# Altium PCB KASLI-DIOT-CPU.PcbDoc (part 2 of 5) (continued)
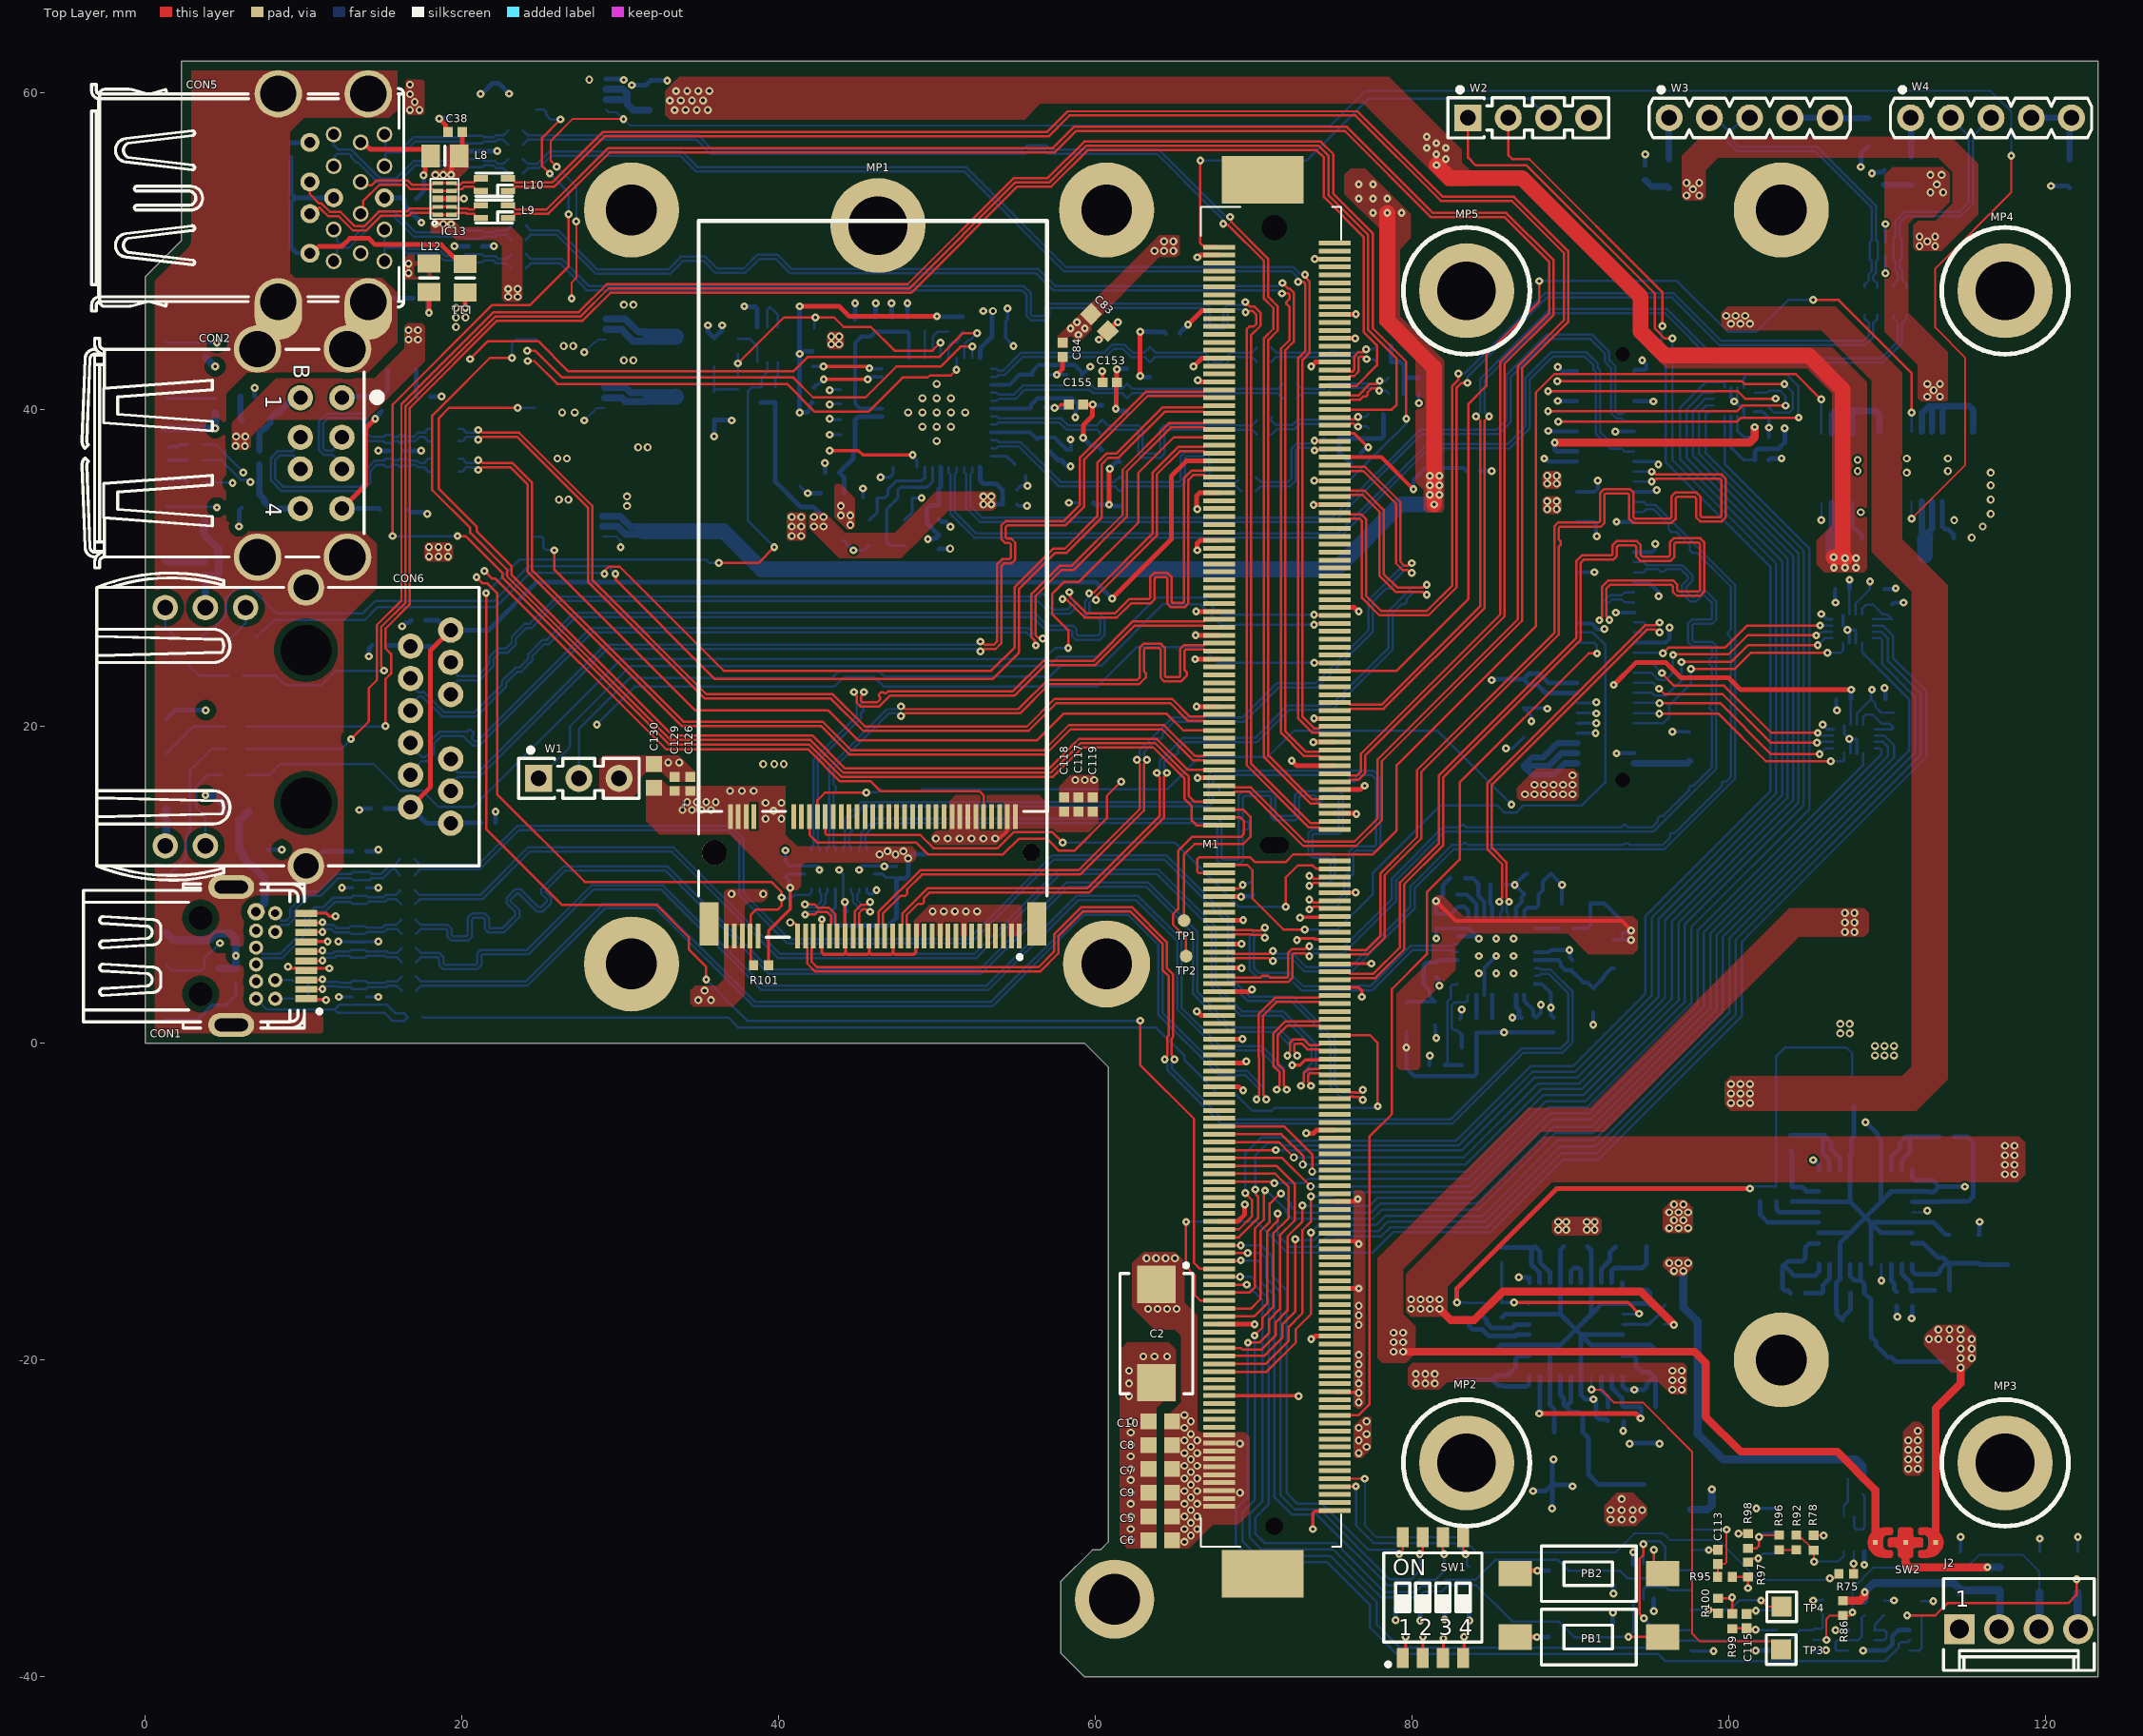
[diagram p0: Top Layer view]
## Nets (pads, with @x,y where several pads share a name; then routed paths per layer and width w, separated by ;. In a path a pad name is that pad's centre, name@x,y a point inside that pad or via, vN(x,y) a via of type N, cw(c..) or ccw(c..) an arc to the next point about the centre after c; other vN are vias at no path point)
(S)ATA_ACT#: M1.S54 R102.1 | length 84.5
  Top Layer w0.15: v1(73.82,24.017) 73.828,24.008 75.092,24.008 M1.S54@75.1,24
  Layer 1 w0.15: v1(6.197,36.032) 6.197,35.24 8.782,32.655 19.842,32.655 20.42,32.077 20.42,28.217 v1(28.52,20.117)
  Bottom Layer w0.15: R102.1@3.57,37.8 4.429,37.8 v1(6.197,36.032) ; v1(28.52,20.117) 30.918,22.514 43.519,22.514 44.115,23.11 46.026,23.11 46.62,22.517 60.12,22.517 62.62,25.017 66.72,25.017 67.72,24.017 v1(73.82,24.017)
+V3.3_DPB: C27.2 CON1.20 FB1.2 | length 7.5
  Bottom Layer w0.5: FB1.2@6.52,14.617 6.52,14.592 6.295,14.367 6.27,14.367 5.92,14.017 C27.2@5.92,12.217 6.195,11.942 6.195,11.695 6.64,11.25 6.71,11.25 7.53,10.43 7.53,10.36 7.549,10.341 7.549,8.893 7,8.344 CON1.20@7,8.3
\\BOARD_RESET: R41.1 T2.6 | length 2.4
  Bottom Layer w0.15: R41.1@37.42,44.457 38.18,44.457 38.637,44 T2.6@38.637,42.988
ANEG_DIS: IC17.47 LD7.1 R28.1 | length 60.8
  Top Layer w0.15: v1(24.12,43.717) 24.62,43.717 26.32,42.017 40.92,42.017 42.165,40.772 45.475,40.772 47.42,42.717 50.22,42.717 51.481,43.978 v1(52.22,43.978)
  Layer 1 w0.15: v1(4.52,33.817) 4.52,38.117 6.02,39.617 13.12,39.617 16.241,42.738 20.695,42.738 21.673,43.717 v1(24.12,43.717)
  Bottom Layer w0.15: LD7.1@1.32,33.967 1.43,33.857 R28.1@3.72,33.857 4.48,33.857 v1(4.52,33.817) ; IC17.47@52.22,43.267 v1(52.22,43.978)
ANEGSEL_0: IC17.46 LD6.1 R26.1 | length 57.6
  Top Layer w0.15: v1(20.51,43.183) 21.644,44.317 24.82,44.317 26.72,42.417 40.92,42.417 41.82,43.317 50.12,43.317 51.62,44.817 v1(52.52,44.817) v1@52.62,44.817
  Layer 1 w0.15: v1(4.52,44.217) 4.52,43.417 6.12,41.817 14.445,41.817 15.811,43.183 v1(20.51,43.183)
  Bottom Layer w0.15: LD6.1@1.32,44.267 1.37,44.217 R26.1@3.82,44.217 v1(4.52,44.217) ; IC17.46@51.72,43.267 51.72,44.138 51.994,44.412 52.115,44.412 v1(52.52,44.817)
ANEGSEL_1: IC17.45 LD5.1 R24.1 | length 89.4
  Top Layer w0.15: v1(24.148,43.067) 24.569,43.067 26.02,41.617 40.52,41.617 42.275,39.862 45.665,39.862 47.82,42.017 49.399,42.017 49.548,42.166 50.869,42.166 v1(51.22,42.517)
  Layer 1 w0.15: v1(4.72,6.317) 4.72,8.117 3.42,9.417 3.42,10.517 5.12,12.217 5.12,29.857 5.115,29.862 5.115,31.498 5.12,31.503 5.12,34.817 4.82,35.117 4.82,38.035 6.102,39.317 13.62,39.317 16.52,42.217 21.02,42.217 21.52,42.717 23.797,42.717 v1(24.148,43.067)
  Bottom Layer w0.15: LD5.1@1.32,4.967 1.71,4.577 3.58,4.577 R24.1@3.72,4.717 3.72,5.317 v1(4.72,6.317) ; v1(51.22,42.517) IC17.45@51.22,43.267
BATLOW#_1V8: M1.S156
BOOT_SEL0#_1V8: D1.1 M1.P123 SW1.8 | length 29.7
  Top Layer w0.15: M1.P123@67.8,-12.75 67.807,-12.757 69.163,-12.757 v1(69.17,-12.764) ; v1(79.17,-32.258) 79.395,-32.033 SW1.8@79.395,-31.19
  Bottom Layer w0.15: v1(69.17,-12.764) 70.426,-12.764 71.145,-13.483 71.145,-14.683 72.07,-15.608 72.07,-28.406 72.747,-29.083 74.306,-29.083 77.206,-31.983 78.895,-31.983 v1(79.17,-32.258) 79.17,-32.658 78.945,-32.883 D1.1@78.945,-33.083
BOOT_SEL1#_1V8: D2.1 M1.P124 SW1.7 | length 31.9
  Top Layer w0.15: M1.P124@67.8,-13.25 69.612,-13.25 v1(69.613,-13.251) ; v1(80.47,-32.258) 80.665,-32.063 SW1.7@80.665,-31.19
  Bottom Layer w0.15: v1(69.613,-13.251) 70.438,-13.251 70.77,-13.583 70.77,-14.833 71.695,-15.758 71.695,-28.548 72.58,-29.433 74.155,-29.433 78.58,-33.858 79.92,-33.858 80.32,-33.458 80.47,-33.308 v1(80.47,-32.258)
BOOT_SEL2#_1V8: D3.1 M1.P125 SW1.6 | length 33.4
  Top Layer w0.15: M1.P125@67.8,-13.75 69.137,-13.75 v1(69.17,-13.717) ; SW1.6@81.935,-31.19 81.935,-32.173 v1(82.02,-32.258)
  Bottom Layer w0.15: v1(69.17,-13.717) 70.228,-13.717 70.42,-13.908 70.42,-15.058 71.295,-15.933 71.295,-28.666 72.408,-29.779 73.99,-29.779 78.445,-34.233 80.07,-34.233 80.42,-33.883 81.445,-33.883 81.87,-33.458 82.045,-33.283 D3.1@82.045,-33.083 82.02,-33.058 v1(82.02,-32.258)
BUF_BW_SEL: IC22.1 R112.2 R113.1 | length 6.7
  Bottom Layer w0.15: R113.1@82.02,-1.383 82.22,-1.183 82.22,2.617 82.42,2.817 82.42,3.587 82.508,3.675 82.775,3.675 IC22.1@82.85,3.75
  Bottom Layer w0.254: R113.1@82.02,-1.383 R112.2@83.12,-1.383
BUF_SADR: IC22.32 R114.2 R115.1 | length 4.6
  Bottom Layer w0.15: R115.1@83.02,0.617 82.811,0.826 82.611,0.826 82.49,0.947 82.49,2.387 82.665,2.562 83.387,2.562 83.475,2.65 83.475,2.975 IC22.32@83.55,3.05
  Bottom Layer w0.254: R115.1@83.02,0.617 83.12,0.517 R114.2@83.12,-0.283
CARRIER_PWRON: IC7.4 IC8.4 IC11.4 IC12.4 IC14.4 IC19.19 IC23.4 R78.2 R92.1 T1.3 | length 241
  Top Layer w0.12: v1(25.983,55.332) 25.979,55.332 25.603,55.708 25.603,56.964 26.977,58.338 v1(30.198,58.338) ; v1(26.92,47.017) 26.92,48.017 27.215,48.311 v1(27.215,51.887) ; R92.1@104.245,-31.058 104.475,-31.288 104.625,-31.288 105.095,-31.758 105.095,-31.778 105.325,-32.008 R78.2@105.345,-32.008 105.345,-32.708 v1(105.37,-32.733) ; v1(111.52,33.117) 114.92,36.517 114.92,43.275 113.02,45.175 113.02,48.917 117.82,53.717 v1(117.82,56.017)
  Layer 1 w0.12: v1(26.92,47.017) 27.82,46.117 27.82,43.877 27.793,43.85 27.793,43.689 v1(27.72,43.617) v1(27.72,39.317) 27.72,38.217 29.684,36.253 29.684,31.653 v1(30.02,31.317) ; v1(105.37,-32.733) 110.02,-28.083 110.02,-19.783 112.52,-17.283 v1(112.52,-10.583) 112.52,32.117 v1(111.52,33.117)
  Layer 2 w0.12: v1(105.82,33.017) 110.02,33.017 110.12,33.117 v1(111.52,33.117)
  Bottom Layer w0.12: v1(25.983,55.332) 25.983,55.327 27.215,54.096 v1(27.215,51.887) ; v1(27.72,39.317) 28.335,39.932 28.335,39.935 28.5,40.1 IC8.4@29,40.1 ; v1(27.72,43.617) 28.335,44.232 28.365,44.232 28.393,44.26 28.435,44.26 28.6,44.425 IC11.4@29.1,44.425 ; IC7.4@28.9,31.975 29.762,31.975 30.02,31.717 v1(30.02,31.317) ; IC12.4@29.1,58.925 29.265,58.76 29.777,58.76 v1(30.198,58.338) 30.62,57.917 74.82,57.917 77.02,60.117 116.526,60.117 117.82,58.823 v1(117.82,56.017) ; v1(105.37,-32.733) 106.87,-32.733 107.088,-32.515 107.11,-32.515 107.25,-32.375 T1.3@107.25,-32.1 ; v1(105.82,33.017) 105.825,33.022 IC14.4@105.825,34.1 ; v1(111.52,33.117) 111.52,34.195 IC23.4@111.525,34.2 ; IC19.19@111.588,-10.675 112.326,-10.675 112.417,-10.583 v1(112.52,-10.583)
CARRIER_PWRON_1V8: M1.S154 R75.1 | length 37.4
  Top Layer w0.12: M1.S154@75.1,-27.5 v1(77.003,-27.5) ; v1(106.37,-33.788) 106.408,-33.75 106.7,-33.75 106.93,-33.52 R75.1@106.93,-33.5
  Bottom Layer w0.12: v1(77.003,-27.5) 77.003,-30.467 77.72,-31.183 83.12,-31.183 84.095,-32.158 92.82,-32.158 94.02,-30.958 95.845,-30.958 96.245,-31.358 99.295,-31.358 101.82,-33.883 106.11,-33.883 106.132,-33.861 106.297,-33.861 v1(106.37,-33.788)
CARRIER_STBY#_1V8: M1.S153
CHARGING#_1V8: M1.S151
CHARGING_PRSNT#_1V8: M1.S152
DDI0_CTRL_AUX_N: M1.S105 R8.1 | length 80.3
  Top Layer w0.15: M1.S105@75.1,-3 75.95,-3 76.065,-3.115 76.407,-3.115 76.425,-3.133 76.607,-3.133 76.782,-2.958 v1(76.87,-2.958)
  Bottom Layer w0.15: R8.1@17.02,11.617 17.235,11.402 17.235,11.339 17.323,11.252 21.017,11.252 23.495,13.729 36.926,13.729 37.778,12.877 37.778,9.458 40.675,6.561 51.972,6.561 57.269,11.858 64.455,11.858 68.658,7.655 68.658,3.989 69.704,2.943 72.45,2.943 75.106,0.288 75.106,-2.634 75.605,-3.133 76.697,-3.133 76.87,-2.961 v1(76.87,-2.958)
DDI0_CTRL_AUX_P: M1.S106 R7.1 | length 80.3
  Top Layer w0.15: M1.S106@75.1,-3.5 75.95,-3.5 76.065,-3.385 76.295,-3.385 76.313,-3.403 76.607,-3.403 76.782,-3.578 v1(76.87,-3.578)
  Bottom Layer w0.15: R7.1@17.02,10.617 17.235,10.832 17.235,10.894 17.323,10.982 21.129,10.982 23.606,13.459 36.814,13.459 37.508,12.765 37.508,9.346 40.563,6.291 52.084,6.291 57.381,11.588 64.343,11.588 68.388,7.543 68.388,3.877 69.592,2.673 72.338,2.673 74.836,0.176 74.836,-2.746 75.493,-3.403 76.637,-3.403 76.812,-3.578 v1(76.87,-3.578)
DDI0_DDC_AUX_SEL: M1.S95
DDI0_HPD: M1.S98 R6.1 | length 70
  Top Layer w0.15: M1.S98@75.1,0.5 77.337,0.5 77.82,0.017 v1(77.82,-3.983)
  Bottom Layer w0.15: R6.1@17.51,1.642 17.535,1.617 36.82,1.617 37.465,0.972 63.839,0.972 65.62,-0.81 65.62,-1.083 67.793,-3.257 68.87,-3.257 69.881,-4.267 71.136,-4.267 71.32,-4.083 77.557,-4.083 77.59,-4.05 77.753,-4.05 v1(77.82,-3.983)
DDI0_PAIR0_N: C20.1 M1.S94 | length 78.9
  Top Layer w0.15: v1(70.782,-3.543) 70.782,-3.455 70.607,-3.28 70.607,-0.785 70.57,-0.749 70.57,1.717 71.468,2.615 74.135,2.615 74.25,2.5 M1.S94@75.1,2.5
  Bottom Layer w0.15: C20.1@17.1,4.2 17.415,3.885 24.007,3.885 28.906,8.784 32.335,8.784 38.527,2.591 53.387,2.591 59.165,8.369 62.176,8.369 64.225,6.32 64.225,1.928 67.896,-1.743 69.551,-1.743 70.588,-2.78 70.588,-2.887 70.59,-2.889 70.59,-3.28 70.782,-3.471 v1(70.782,-3.543)
DDI0_PAIR0_P: C19.1 M1.S93 | length 79
  Top Layer w0.15: v1(70.162,-3.543) 70.162,-3.455 70.337,-3.28 70.337,-0.897 70.3,-0.86 70.3,1.828 71.356,2.885 74.135,2.885 74.25,3 M1.S93@75.1,3
  Bottom Layer w0.15: C19.1@17.1,3.3 17.415,3.615 24.119,3.615 29.018,8.514 32.223,8.514 38.415,2.321 53.499,2.321 59.277,8.099 62.064,8.099 63.955,6.209 63.955,1.816 67.784,-2.013 68.44,-2.013 68.479,-2.052 68.972,-2.052 69.011,-2.013 69.439,-2.013 70.318,-2.892 70.318,-3.291 70.162,-3.448 v1(70.162,-3.543)
DDI0_PAIR1_N: C23.1 M1.S97 | length 78.9
  Top Layer w0.15: v1(72.067,-2.94) 72.067,-2.851 71.893,-2.677 71.893,-1.714 71.496,-1.317 71.496,0.493 72.118,1.115 73.744,1.115 74.135,1.115 74.25,1 M1.S97@75.1,1
  Bottom Layer w0.15: C23.1@17.1,6 17.415,5.685 18.574,5.685 18.82,5.439 18.82,5.041 18.908,4.953 20.862,4.953 20.95,5.041 20.95,5.642 21.196,5.888 24.103,5.888 28.168,9.954 32.699,9.954 39.041,3.612 53.102,3.612 58.785,9.295 62.688,9.295 65.438,6.545 65.438,2.238 67.859,-0.183 70.496,-0.183 71.893,-1.581 71.893,-2.677 72.067,-2.851 v1(72.067,-2.94)
DDI0_PAIR1_P: C21.1 M1.S96 | length 78.9
  Top Layer w0.15: v1(71.442,-2.935) 71.442,-2.853 71.623,-2.672 71.623,-1.825 71.226,-1.428 71.226,0.605 72.006,1.385 73.632,1.385 74.135,1.385 74.25,1.5 M1.S96@75.1,1.5
  Bottom Layer w0.15: C21.1@17.1,5.1 17.415,5.415 18.462,5.415 18.55,5.327 18.55,4.929 18.796,4.683 20.974,4.683 21.22,4.929 21.22,5.53 21.308,5.618 24.215,5.618 28.28,9.684 32.587,9.684 38.929,3.342 53.214,3.342 58.897,9.025 62.576,9.025 65.168,6.433 65.168,2.126 67.747,-0.453 70.384,-0.453 71.623,-1.693 71.623,-2.672 71.442,-2.853 v1(71.442,-2.935)
DDI0_PAIR2_N: C26.1 M1.S100 | length 78.8
  Top Layer w0.15: v1(72.74,-0.783) 72.74,-0.696 72.565,-0.521 72.565,-0.118 72.653,-0.03 73.017,-0.03 73.372,-0.385 74.135,-0.385 74.25,-0.5 M1.S100@75.1,-0.5
  Bottom Layer w0.15: C26.1@17.07,7.792 17.389,7.473 19.099,7.473 19.345,7.227 19.345,6.824 19.433,6.736 20.262,6.736 20.35,6.824 20.35,7.908 20.637,8.196 21.441,8.196 21.706,7.931 21.706,7.339 21.794,7.251 22.53,7.251 23.37,8.09 23.37,8.267 22.811,8.826 22.811,9.174 23.354,9.717 23.702,9.717 24.849,8.57 24.973,8.57 25.352,8.949 25.352,9.073 25.018,9.407 25.018,9.755 26.43,11.167 32.952,11.167 39.486,4.632 52.674,4.632 58.188,10.146 63.31,10.146 66.43,7.026 66.43,3.219 68.667,0.982 71.53,0.982 72.565,-0.053 72.565,-0.611 72.738,-0.783 v1(72.74,-0.783)
DDI0_PAIR2_P: C25.1 M1.S99 | length 78.8
  Top Layer w0.15: v1(72.12,-0.783) 72.12,-0.696 72.295,-0.521 72.295,0.048 72.486,0.24 73.129,0.24 73.484,-0.115 74.135,-0.115 74.25,0 M1.S99@75.1,0
  Bottom Layer w0.15: C25.1@17.1,6.9 17.403,7.203 18.987,7.203 19.075,7.115 19.075,6.712 19.321,6.466 20.374,6.466 20.62,6.712 20.62,7.796 20.749,7.926 21.329,7.926 21.436,7.819 21.436,7.227 21.682,6.981 22.642,6.981 23.64,7.979 23.64,8.379 23.081,8.938 23.081,9.062 23.466,9.447 23.59,9.447 24.737,8.3 25.085,8.3 25.622,8.837 25.622,9.185 25.288,9.519 25.288,9.643 26.542,10.897 32.84,10.897 39.375,4.362 52.786,4.362 58.3,9.876 63.198,9.876 66.16,6.914 66.16,3.107 68.555,0.712 71.418,0.712 72.295,-0.165 72.295,-0.575 72.12,-0.75 v1(72.12,-0.783)
DDI0_PAIR3_N: C24.1 M1.S103 | length 75.4
  Top Layer w0.15: v1(73.598,-2.695) 73.598,-2.607 73.423,-2.432 73.423,-2.17 73.415,-2.163 73.415,-2.038 73.568,-1.885 74.135,-1.885 74.25,-2 M1.S103@75.1,-2
  Bottom Layer w0.15: C24.1@17.02,9.642 17.305,9.357 18.083,9.357 18.088,9.352 21.155,9.352 24.169,12.366 33.353,12.366 40.094,5.625 52.346,5.625 57.682,10.96 63.965,10.96 67.597,7.328 67.597,3.68 69.278,1.999 71.87,1.999 73.897,-0.029 73.897,-1.514 73.697,-1.714 73.601,-1.714 73.433,-1.882 73.433,-2.436 73.598,-2.6 v1(73.598,-2.695)
DDI0_PAIR3_P: C22.1 M1.S102 | length 75.4
  Top Layer w0.15: v1(72.978,-2.695) 72.978,-2.607 73.153,-2.432 73.153,-2.282 73.145,-2.274 73.145,-1.927 73.456,-1.615 74.135,-1.615 74.25,-1.5 M1.S102@75.1,-1.5
  Bottom Layer w0.15: C22.1@17.045,8.792 17.34,9.087 17.971,9.087 17.976,9.082 21.267,9.082 24.281,12.096 33.241,12.096 39.982,5.355 52.458,5.355 57.793,10.69 63.853,10.69 67.327,7.217 67.327,3.568 69.166,1.729 71.758,1.729 73.627,-0.141 73.627,-1.306 73.163,-1.77 73.163,-2.432 72.978,-2.618 v1(72.978,-2.695)
DDI1_CTRL_AUX_N: M1.P106
DDI1_CTRL_AUX_P: M1.P105
DDI1_DDC_AUX_SEL: M1.P107
DDI1_HPD: M1.P104
DDI1_PAIR0_N: M1.P93
DDI1_PAIR0_P: M1.P92
DDI1_PAIR1_N: M1.P96
DDI1_PAIR1_P: M1.P95
DDI1_PAIR2_N: M1.P99
DDI1_PAIR2_P: M1.P98
DDI1_PAIR3_N: M1.P102
DDI1_PAIR3_P: M1.P101
DP_MDI0_N: C57.1 IC17.2 R11.1 | length 18.6
  Bottom Layer w0.15: IC17.2@53.42,42.067 53.761,42.067 53.867,42.173 54.258,42.173 55.413,43.327 60.657,43.327 61.172,43.842 61.712,43.842 62.227,43.327 63.097,43.327 R11.1@63.436,42.988 63.781,43.333 66.771,43.333 67.374,42.731 68.052,42.731 68.655,43.333 69.878,43.333 C57.1@70.195,43.017
DP_MDI0_P: C56.1 IC17.1 R9.1 | length 18.6
  Bottom Layer w0.15: IC17.1@53.42,42.567 53.759,42.567 53.883,42.443 54.146,42.443 55.301,43.597 60.545,43.597 61.06,44.112 61.824,44.112 62.339,43.597 63.085,43.597 R9.1@63.436,43.948 63.781,43.603 66.883,43.603 67.486,43.001 67.94,43.001 68.543,43.603 69.882,43.603 C56.1@70.195,43.917
DP_MDI1_N: C59.1 IC17.5 R12.1 | length 19.2
  Bottom Layer w0.15: IC17.5@53.42,40.567 53.761,40.567 53.876,40.682 54.967,40.682 55.522,41.237 59.653,41.237 59.858,41.032 61.685,41.032 R12.1@62,40.717 62.315,41.032 71.505,41.032 C59.1@71.82,40.717
DP_MDI1_P: C58.1 IC17.4 R10.1 | length 19.2
  Bottom Layer w0.15: IC17.4@53.42,41.067 53.761,41.067 53.876,40.952 54.855,40.952 55.41,41.507 59.764,41.507 59.97,41.302 61.665,41.302 R10.1@62,41.637 62.335,41.302 71.505,41.302 C58.1@71.82,41.617
DP_MDI2_N: C61.1 IC17.8 R16.2 | length 20.6
  Bottom Layer w0.15: IC17.8@53.42,39.067 53.761,39.067 53.876,39.182 57.702,39.182 58.152,38.732 59.489,38.732 60.097,38.732 60.185,38.644 60.185,38.602 60.4,38.387 60.44,38.387 60.655,38.602 60.655,38.644 60.743,38.732 62.607,38.732 62.695,38.644 62.695,37.205 62.941,36.959 64.1,36.959 64.346,37.205 64.346,38.644 64.434,38.732 69.88,38.732 C61.1@70.195,38.417
DP_MDI2_P: C60.1 IC17.7 R17.2 | length 20.7
  Bottom Layer w0.15: IC17.7@53.42,39.567 53.761,39.567 53.876,39.452 57.814,39.452 57.939,39.327 58.264,39.002 59.377,39.002 60.097,39.002 60.185,39.089 60.185,39.132 60.4,39.347 60.44,39.347 60.655,39.132 60.655,39.089 60.743,39.002 62.719,39.002 62.965,38.756 62.965,37.317 63.053,37.229 63.988,37.229 64.076,37.317 64.076,38.756 64.322,39.002 64.848,39.002 64.916,39.07 65.33,39.07 65.398,39.002 69.88,39.002 C60.1@70.195,39.317
DP_MDI3_N: C68.1 IC17.11 R14.2 | length 20.6
  Bottom Layer w0.15: IC17.11@53.42,37.567 53.761,37.567 53.871,37.677 55.16,37.677 57.678,35.159 61.208,35.159 R14.2@61.52,34.847 61.54,34.847 61.755,35.062 61.755,35.074 61.843,35.162 62.329,35.162 65.413,35.162 65.659,35.408 65.659,36.952 65.747,37.04 66.82,37.04 66.907,36.952 66.907,35.401 67.153,35.155 68.902,35.155 C68.1@69.21,34.847
DP_MDI3_P: C62.1 IC17.10 R15.2 | length 20.4
  Bottom Layer w0.15: IC17.10@53.42,38.067 53.761,38.067 53.88,37.947 55.271,37.947 57.789,35.429 61.202,35.429 R15.2@61.52,35.747 61.54,35.747 61.755,35.532 61.755,35.519 61.843,35.432 62.217,35.432 65.302,35.432 65.39,35.519 65.39,37.064 65.636,37.31 66.931,37.31 67.177,37.064 67.177,35.513 67.265,35.425 68.888,35.425 C62.1@68.999,35.536
DPB_AUX_N: CON1.18 IC6.1 IC6.10 R8.2 | length 10.1
  Bottom Layer w0.15: CON1.18@8.21,8.2 8.21,8.143 8.606,7.747 8.93,7.747 9.162,7.98 9.162,8.49 10.237,9.565 10.954,9.565 12.066,10.677 12.985,10.677 IC6.1@13.1,10.792 IC6.10@13.97,10.792 14.188,10.792 14.313,10.667 14.889,10.667 15.211,10.99 15.211,11.006 15.457,11.252 15.777,11.252 15.865,11.339 15.865,11.402 R8.2@16.08,11.617
DPB_AUX_P: CON1.16 IC6.2 IC6.9 R7.2 | length 10.1
  Bottom Layer w0.15: CON1.16@8.21,7.02 8.21,7.082 8.606,7.477 9.041,7.477 9.432,7.868 9.432,8.378 10.348,9.295 11.066,9.295 12.178,10.407 12.985,10.407 IC6.2@13.1,10.292 IC6.9@13.97,10.292 14.188,10.292 14.238,10.341 14.238,10.359 14.276,10.397 15.001,10.397 15.481,10.878 15.481,10.894 15.569,10.982 15.777,10.982 15.865,10.894 15.865,10.832 R7.2@16.08,10.617
DPB_CN_LANE0_N: C20.2 CON1.5 IC4.1 IC4.10 | length 6.4
  Top Layer w0.15: CON1.5@10.17,4 11.162,4 v1(11.19,4.028)
  Bottom Layer w0.15: v1(11.19,4.028) 11.365,3.853 12.232,3.853 12.274,3.812 12.97,3.812 IC4.1@13.075,3.917 IC4.10@13.945,3.917 14.05,3.812 15.16,3.812 15.233,3.885 15.885,3.885 C20.2@16.2,4.2
DPB_CN_LANE0_P: C19.2 CON1.3 IC4.2 IC4.9 | length 6.4
  Top Layer w0.15: CON1.3@10.17,3.4 11.182,3.4 v1(11.19,3.408)
  Bottom Layer w0.15: v1(11.19,3.408) 11.365,3.583 12.12,3.583 12.162,3.542 12.95,3.542 IC4.2@13.075,3.417 IC4.9@13.945,3.417 14.07,3.542 15.272,3.542 15.345,3.615 15.885,3.615 C19.2@16.2,3.3
DPB_CN_LANE1_N: C23.2 CON1.11 IC5.4 IC5.7 | length 6.4
  Top Layer w0.15: CON1.11@10.17,5.8 11.152,5.8 v1(11.19,5.839)
  Bottom Layer w0.15: v1(11.19,5.839) 11.365,5.664 11.845,5.664 11.973,5.792 12.9,5.792 IC5.4@13,5.892 IC5.7@13.87,5.892 13.97,5.792 15.263,5.792 15.37,5.685 15.885,5.685 C23.2@16.2,6
DPB_CN_LANE1_P: C21.2 CON1.9 IC5.5 IC5.6 | length 6.4
  Top Layer w0.15: CON1.9@10.17,5.2 11.172,5.2 v1(11.19,5.219)
  Bottom Layer w0.15: v1(11.19,5.219) 11.365,5.394 11.957,5.394 12.085,5.522 12.87,5.522 IC5.5@13,5.392 IC5.6@13.87,5.392 14,5.522 15.152,5.522 15.258,5.415 15.885,5.415 C21.2@16.2,5.1
DPB_CN_LANE2_N: C26.2 CON1.17 IC5.1 IC5.10 | length 6.5
  Top Layer w0.15: CON1.17@10.17,7.6 11.156,7.6 v1(11.19,7.634)
  Bottom Layer w0.15: v1(11.19,7.634) 11.365,7.459 11.882,7.459 12.079,7.262 12.87,7.262 IC5.1@13,7.392 IC5.10@13.87,7.392 13.975,7.287 14.964,7.287 15.158,7.481 15.859,7.481 C26.2@16.17,7.792
DPB_CN_LANE2_P: C25.2 CON1.15 IC5.2 IC5.9 | length 6.5
  Top Layer w0.15: CON1.15@10.17,7 10.184,7.014 v1(11.19,7.014)
  Bottom Layer w0.15: v1(11.19,7.014) 11.365,7.189 11.77,7.189 11.968,6.992 12.9,6.992 IC5.2@13,6.892 IC5.9@13.87,6.892 13.995,7.017 15.076,7.017 15.27,7.211 15.889,7.211 C25.2@16.2,6.9
DPB_CN_LANE3_N: C24.2 CON1.12 IC6.4 IC6.7 | length 11.5
  Bottom Layer w0.15: CON1.12@7,6.03 7.397,5.633 8.508,5.633 10.092,7.217 10.092,7.975 10.705,8.587 11.259,8.587 11.848,9.177 12.985,9.177 IC6.4@13.1,9.292 IC6.7@13.97,9.292 14.05,9.212 15.043,9.212 15.183,9.352 15.83,9.352 C24.2@16.12,9.642
DPB_CN_LANE3_P: C22.2 CON1.10 IC6.5 IC6.6 | length 11.5
  Bottom Layer w0.15: CON1.10@7,4.97 7.393,5.363 8.62,5.363 10.362,7.105 10.362,7.863 10.817,8.317 11.371,8.317 11.96,8.907 12.985,8.907 IC6.5@13.1,8.792 IC6.6@13.97,8.792 14.12,8.942 15.155,8.942 15.295,9.082 15.855,9.082 C22.2@16.145,8.792
DPB_CNF1: CON1.4 R4.2 | length 1.1
  Bottom Layer w0.15: CON1.4@8.21,2.8 9.333,2.8 R4.2@9.35,2.817
DPB_CNF2: CON1.6 R5.2 | length 1.2
  Bottom Layer w0.15: CON1.6@8.21,3.98 9.287,3.98 R5.2@9.35,3.917
EN1: IC18.19 R61.1 R63.2 | length 3.3
  Bottom Layer w0.2: IC18.19@93.288,-17.763 94.938,-17.762 R61.1@94.95,-17.75 94.95,-17.73 95.14,-17.54 95.16,-17.54 95.76,-16.94 95.76,-16.74 R63.2@95.95,-16.55
FAN_PWM: D5.1 J2.4 R87.1 T3.3 | length 19.2
  Top Layer w0.15: v1(111.245,-36.133) 113.02,-36.133 113.795,-35.358 121.42,-35.358 121.945,-34.833 v1(121.945,-33.858)
  Bottom Layer w0.15: v1(111.245,-36.133) 111.27,-36.158 R87.1@112.17,-36.158 112.17,-38.208 112.028,-38.35 T3.3@111.4,-38.35 ; v1(121.945,-33.858) 121.945,-34.645 D5.1@122,-34.7
  Bottom Layer w0.5: D5.1@122,-34.7 122,-36.95 J2.4@122.05,-37
FAN_TACHIN: D7.1 J2.3 R86.1 T4.5 | length 22.4
  Top Layer w0.12: v1(106.145,-37.683) 106.145,-36.358 106.37,-36.133 R86.1@107.195,-36.133 107.725,-36.133 107.725,-36.004 v1(107.795,-35.933)
  Bottom Layer w0.12: T4.5@105.3,-37.7 105.317,-37.683 v1(106.145,-37.683) ; v1(107.795,-35.933) 107.795,-34.444 109.131,-33.108 114.995,-33.108 115.795,-32.308 118.545,-32.308 119.6,-33.363 D7.1@119.6,-34.7
  Bottom Layer w0.5: J2.3@119.55,-37 119.6,-36.95 D7.1@119.6,-34.7
FORCE_RECOV#_1V8: D4.1 M1.S155 SW1.5 | length 13.8
  Top Layer w0.15: M1.S155@74.87,-28 74.878,-27.992 76.437,-27.992 v1(76.445,-27.983) ; SW1.5@83.205,-31.19 83.205,-32.093 v1(83.37,-32.258)
  Bottom Layer w0.15: v1(76.445,-27.983) 76.445,-30.458 77.545,-31.558 82.67,-31.558 v1(83.37,-32.258) 83.37,-32.353 83.439,-32.422 83.439,-32.927 D4.1@83.595,-33.083
FPGA_TESTPOINT0: IC3.15 J1.3 | length 20.2
  Top Layer w0.15: v1@89.207,41.742 v1(89.151,41.797) 100.789,41.797 100.97,41.617 v1(103.495,41.617)
  Bottom Layer w0.15: v1(89.151,41.797) J1.3@90.4,41.797 ; IC3.15@101.62,40.267 102.393,40.267 102.857,39.803 103.797,39.803 104.022,40.028 104.022,41.09 v1(103.495,41.617)
FPGA_TESTPOINT1: IC3.14 J1.5 | length 17.7
  Top Layer w0.15: v1(88.574,41.162) 100.549,41.162 101.017,40.695 v1(102.945,40.695)
  Bottom Layer w0.15: v1(88.574,41.162) J1.5@90.4,41.162 ; IC3.14@101.62,40.667 102.92,40.667 102.945,40.692 v1(102.945,40.695)
FPGA_TESTPOINT2: IC3.13 J1.9 | length 19.7
  Top Layer w0.15: v1(88.57,39.892) 100.495,39.892 100.853,40.25 v1(103.57,40.25)
  Bottom Layer w0.15: v1@88.571,39.892 J1.9@90.4,39.892 ; IC3.13@101.62,41.067 102.42,41.067 102.542,41.188 103.227,41.188 103.57,40.844 v1(103.57,40.25)
FPGA_TESTPOINT3: IC3.12 J1.11 | length 22.9
  Top Layer w0.15: v1(89.22,39.242) 100.52,39.242 100.77,39.492 v1(104.395,39.492)
  Bottom Layer w0.15: v1(89.22,39.242) 89.236,39.257 J1.11@90.4,39.257 ; IC3.12@100.92,41.367 100.92,41.975 101.157,42.212 103.639,42.212 104.032,41.819 104.39,41.461 v1@104.39,39.497
GBE0_ACT#: M1.P25 R19.1 | length 77.7
  Top Layer w0.15: v1(58.277,24.951) 58.277,26.068 57.261,27.084 57.261,28.347 58.041,29.127 58.964,29.127 62.704,32.867 62.704,36.008 64.946,38.25 M1.P25@67.8,38.25
  Bottom Layer w0.15: R19.1@6.42,16.917 7.82,16.917 8.52,17.617 14.42,17.617 16.1,15.937 17.5,15.937 18.52,14.917 20.72,14.917 30.054,24.251 47.279,24.251 56.75,24.251 57.451,24.951 v1(58.277,24.951)
GBE0_CTREF: C46.2 C47.2 C48.2 C49.2 CON6.1 CON6.6 CON6.7 CON6.12 M1.P28 | length 81.3
  Top Layer w0.3: CON6.1@16.75,14.9 18.02,16.17 18.02,24.806 CON6.12@19.29,26.076 ; v1@61.068,28.095 64.781,31.808 64.781,35.802 65.728,36.75 M1.P28@67.8,36.75
  Bottom Layer w0.3: C46.2@15.12,14.817 16.667,14.817 CON6.1@16.75,14.9 17.766,13.884 CON6.7@19.29,13.884 19.323,13.917 C47.2@21.22,13.917 ; C49.2@15.2,25.1 16.71,25.1 CON6.6@16.75,25.06 18.274,25.06 19.189,25.975 CON6.12@19.29,26.076 ; C48.2@17.7,26.7 18.464,26.7 19.088,26.076 CON6.12@19.29,26.076 ; v1(61.05,28.077) 60.011,29.117 24.72,29.117 21.679,26.076 CON6.12@19.29,26.076
GBE0_LINK100#: M1.P21 R20.1 | length 76.6
  Top Layer w0.15: v1(28.995,29.637) 29.062,29.704 29.062,29.874 29.269,30.082 29.955,30.082 36.52,23.517 53.42,23.517 54.902,24.998 54.902,28.797 57.322,31.217 58.049,31.217 60.111,33.279 60.111,36.641 60.699,37.23 61.333,37.23 64.229,40.126 66.826,40.126 66.95,40.25 M1.P21@67.8,40.25
  Bottom Layer w0.15: R20.1@7.045,25.617 7.045,25.667 7.42,26.042 7.47,26.042 8.145,26.717 13.852,26.717 14.652,27.517 22.12,27.517 24.308,29.704 28.732,29.704 ; 28.733,29.704 28.928,29.704 v1(28.995,29.637)
GBE0_LINK1000#: M1.P22 R21.1 | length 82.6
  Top Layer w0.15: v1(29.689,29.637) 29.709,29.616 29.709,29.251 35.94,23.02 35.956,23.005 53.528,23.005 55.172,24.649 55.172,28.685 57.433,30.947 58.161,30.947 60.381,33.167 60.381,36.529 60.811,36.96 61.463,36.96 64.359,39.856 66.787,39.856 66.818,39.825 67.725,39.825 M1.P22@67.8,39.75
  Bottom Layer w0.15: R21.1@3.52,25.617 4.12,26.217 4.32,26.217 5.12,27.017 5.12,28.117 5.708,28.705 6.702,28.705 8.262,27.145 13.748,27.145 14.52,27.917 22.02,27.917 24.22,30.117 29.209,30.117 v1(29.689,29.637)
GBE0_MDI0_N: CON6.10 M1.P29 | length 66.1
  Top Layer w0.15: v1(58.347,28.469) 58.409,28.407 58.409,28.159 58.909,27.66 59.427,27.142 61.238,27.142 62.127,28.03 63.362,28.03 63.45,28.118 63.45,29.428 63.708,29.687 64.547,29.687 64.793,29.441 64.793,27.878 64.881,27.79 65.507,27.79 65.595,27.878 65.595,35.677 66.053,36.135 66.835,36.135 66.95,36.25 M1.P29@67.8,36.25
  Bottom Layer w0.15: CON6.10@19.29,22.012 19.29,22.404 19.646,22.761 19.646,22.805 19.734,22.893 19.97,22.893 19.973,22.896 21.081,22.896 21.975,23.79 21.975,24.25 22.36,24.635 22.872,24.635 23.411,25.173 23.411,25.548 24.08,26.217 24.402,26.217 26.101,27.916 56.346,27.916 57.165,27.097 58.357,27.097 58.69,27.43 58.69,27.878 58.236,28.333 58.236,28.358 v1(58.347,28.469)
GBE0_MDI0_P: CON6.11 M1.P30 | length 66.1
  Top Layer w0.15: v1(57.909,28.03) 57.971,27.968 58.218,27.968 58.797,27.39 59.315,26.872 61.35,26.872 62.238,27.76 63.474,27.76 63.72,28.006 63.72,29.317 63.82,29.417 64.435,29.417 64.523,29.329 64.523,27.766 64.769,27.52 65.619,27.52 65.865,27.766 65.865,35.565 66.165,35.865 66.835,35.865 66.95,35.75 M1.P30@67.8,35.75
  Bottom Layer w0.15: CON6.11@19.29,24.044 19.29,23.652 19.646,23.295 19.646,23.251 19.734,23.163 19.859,23.163 19.861,23.166 20.969,23.166 21.705,23.902 21.705,24.362 22.248,24.904 22.761,24.904 23.141,25.285 23.141,25.66 23.968,26.487 24.29,26.487 25.989,28.185 56.405,28.185 56.579,28.36 56.703,28.36 57.025,28.037 57.025,27.913 56.94,27.828 56.94,27.703 57.277,27.367 58.245,27.367 58.42,27.542 58.42,27.767 58.045,28.142 58.02,28.142 v1(57.909,28.03)
GBE0_MDI1_N: CON6.5 M1.P26 | length 66.1
  Top Layer w0.15: v1(59.6,28.407) 59.662,28.469 59.909,28.469 63.595,32.155 63.595,36.015 65.215,37.635 66.835,37.635 66.95,37.75 M1.P26@67.8,37.75
  Bottom Layer w0.15: CON6.5@16.75,23.028 16.75,22.66 17.263,22.147 17.388,22.147 17.499,22.147 17.611,22.147 18.863,20.895 20.798,20.895 22.518,22.615 22.518,22.86 23.369,23.71 23.614,23.71 24.183,24.28 24.183,24.557 25.088,25.462 25.365,25.462 27.076,27.172 56.135,27.172 56.942,26.366 58.555,26.366 58.801,26.12 58.801,25.804 58.889,25.717 60.137,25.717 60.288,25.867 60.288,26.686 60.1,26.874 59.575,26.874 59.327,27.122 59.327,27.887 59.538,28.097 59.538,28.345 v1(59.6,28.407)
GBE0_MDI1_P: CON6.4 M1.P27 | length 66.1
  Top Layer w0.15: v1(60.038,27.969) 60.1,28.031 60.1,28.278 63.865,32.043 63.865,35.903 65.327,37.365 66.835,37.365 66.95,37.25 M1.P27@67.8,37.25
  Bottom Layer w0.15: CON6.4@16.75,20.996 16.75,21.364 17.263,21.877 17.499,21.877 18.751,20.625 20.91,20.625 22.788,22.503 22.788,22.748 23.481,23.44 23.725,23.44 24.453,24.168 24.453,24.445 25.2,25.192 25.477,25.192 27.188,26.902 56.023,26.902 56.83,26.096 58.443,26.096 58.531,26.008 58.531,25.693 58.777,25.447 60.249,25.447 60.558,25.756 60.558,26.798 60.212,27.144 59.687,27.144 59.597,27.234 59.597,27.775 59.729,27.907 59.976,27.907 v1(60.038,27.969)
GBE0_MDI2_N: CON6.2 M1.P23 | length 66.1
  Top Layer w0.15: v1(56.23,25.108) 56.168,25.17 56.168,25.418 55.955,25.63 55.955,28.362 57.727,30.134 58.494,30.134 61.711,33.351 61.711,36.206 64.64,39.135 66.835,39.135 66.95,39.25 M1.P23@67.8,39.25
  Bottom Layer w0.15: CON6.2@16.75,16.932 16.75,17.113 17.45,17.813 17.808,17.813 18.245,18.25 18.245,18.936 18.693,19.384 20.09,19.384 20.673,18.802 21.087,18.802 28.218,25.933 55.652,25.933 56.168,25.418 56.168,25.17 v1(56.23,25.108)
GBE0_MDI2_P: CON6.3 M1.P24 | length 66.1
  Top Layer w0.15: v1(56.668,25.546) 56.606,25.608 56.359,25.608 56.225,25.742 56.225,28.25 57.838,29.864 58.606,29.864 61.981,33.239 61.981,36.094 64.752,38.865 66.835,38.865 66.95,38.75 M1.P24@67.8,38.75
  Bottom Layer w0.15: CON6.3@16.75,18.964 16.75,18.783 17.45,18.083 17.696,18.083 17.975,18.362 17.975,19.048 18.581,19.654 20.31,19.654 20.433,19.778 20.557,19.778 20.732,19.603 20.732,19.479 20.645,19.392 20.645,19.211 20.785,19.072 20.975,19.072 28.106,26.203 55.764,26.203 56.359,25.608 56.606,25.608 v1(56.668,25.546)
GBE0_MDI3_N: CON6.9 M1.P19 | length 66.1
  Top Layer w0.15: v1(52.73,25.346) 52.803,25.346 52.992,25.156 53.58,25.156 53.799,25.375 53.799,30.243 54.104,30.548 54.566,30.548 54.654,30.636 54.654,31.501 54.566,31.589 54.289,31.589 54.043,31.835 54.043,32.673 54.324,32.954 57.98,32.954 58.997,33.971 58.997,36.938 63.194,41.135 66.835,41.135 66.95,41.25 M1.P19@67.8,41.25
  Bottom Layer w0.15: CON6.9@19.29,17.948 19.29,17.556 19.646,17.199 19.646,17.155 19.734,17.067 20.97,17.067 29.066,25.162 52.467,25.162 52.65,25.346 v1(52.73,25.346)
GBE0_MDI3_P: CON6.8 M1.P20 | length 66.1
  Top Layer w0.15: v1(52.741,24.726) 52.836,24.726 52.996,24.886 53.692,24.886 54.069,25.263 54.069,30.131 54.216,30.278 54.678,30.278 54.924,30.524 54.924,31.613 54.678,31.859 54.401,31.859 54.313,31.947 54.313,32.561 54.436,32.684 58.092,32.684 59.267,33.86 59.267,36.826 63.306,40.865 66.835,40.865 66.95,40.75 M1.P20@67.8,40.75
  Bottom Layer w0.15: CON6.8@19.29,15.916 19.29,16.308 19.646,16.665 19.646,16.709 19.734,16.797 21.082,16.797 29.178,24.892 52.48,24.892 52.646,24.726 v1(52.741,24.726)
GBE1_ACT#: M1.S31 R27.1 | length 122.9
  Top Layer w0.15: v1(12.995,19.192) 14.12,20.317 14.12,22.417 14.63,22.927 14.63,26.39 16.174,27.935 16.174,39.701 16.174,40.335 21.997,46.157 22.63,46.157 27.379,46.157 29.138,47.917 48.141,47.917 54.841,54.617 56.984,54.617 59.283,56.916 74.221,56.916 75.02,56.117 75.02,53.617 77.52,51.117 77.52,45.124 79.62,43.024 v1(79.62,39.417) ; v1(73.82,35.517) 73.837,35.5 M1.S31@75.1,35.5
  Bottom Layer w0.15: 6.383,18.58 12.383,18.58 v1(12.995,19.192) ; v1(73.82,35.517) 76.025,35.517 77.77,37.262 79.62,39.112 v1(79.62,39.417)
GBE1_CTREF: C50.2 M1.S28 | length 10.2
  Top Layer w0.254: M1.S28@75.1,37 76.268,37 78.044,37 v1(80.076,34.968)
  Bottom Layer w0.254: v1(80.076,34.968) 80.076,35.573 80.82,36.317 83.22,36.317 C50.2@83.42,36.117
GBE1_LINK100#: M1.S19 R30.1 | length 112.2
  Top Layer w0.15: v1(15.17,20.017) 15.17,22.982 15.52,23.332 15.52,24.574 15.17,24.924 15.17,26.167 16.714,27.711 16.714,40.111 22.221,45.617 27.621,45.617 29.38,47.377 48.364,47.377 48.386,47.398 55.064,54.077 57.208,54.077 59.507,56.376 73.961,56.376 74.42,55.917 74.42,53.417 76.95,50.887 76.95,44.879 77.775,44.054 77.775,42.789 76.474,41.489 75.111,41.489 M1.S19@75.1,41.5
  Bottom Layer w0.15: 6.383,19.98 15.133,19.98 v1(15.17,20.017)
GBE1_LINK1000#: M1.S22 R31.1 | length 114.1
  Top Layer w0.15: v1(15.075,23.517) 15.075,23.604 14.9,23.779 14.9,26.278 16.444,27.823 16.444,39.59 16.444,40.223 22.109,45.887 22.742,45.887 27.491,45.887 29.25,47.647 48.252,47.647 48.337,47.731 54.952,54.347 55.04,54.347 57.096,54.347 59.395,56.646 74.091,56.646 74.72,56.017 74.72,53.517 77.22,51.017 77.22,45.013 79.02,43.213 79.02,40.317 78.703,40 M1.S22@75.1,40
  Bottom Layer w0.15: R31.1@6.19,23.217 8.22,23.217 8.82,22.617 11.12,22.617 12.02,23.517 v1(15.075,23.517) 15.008,23.45 v1@14.845,23.45